# Altium PCB A185_pinboard_V1.0.PcbDoc
Units mm, origin at the board's own origin, x right, y up, seen from the top; angles counter-clockwise.
Board outline 56 x 53 mm, 2 copper layers (Top Layer, Bottom Layer); 15 components, 18 nets, 42 pads, 12 vias.
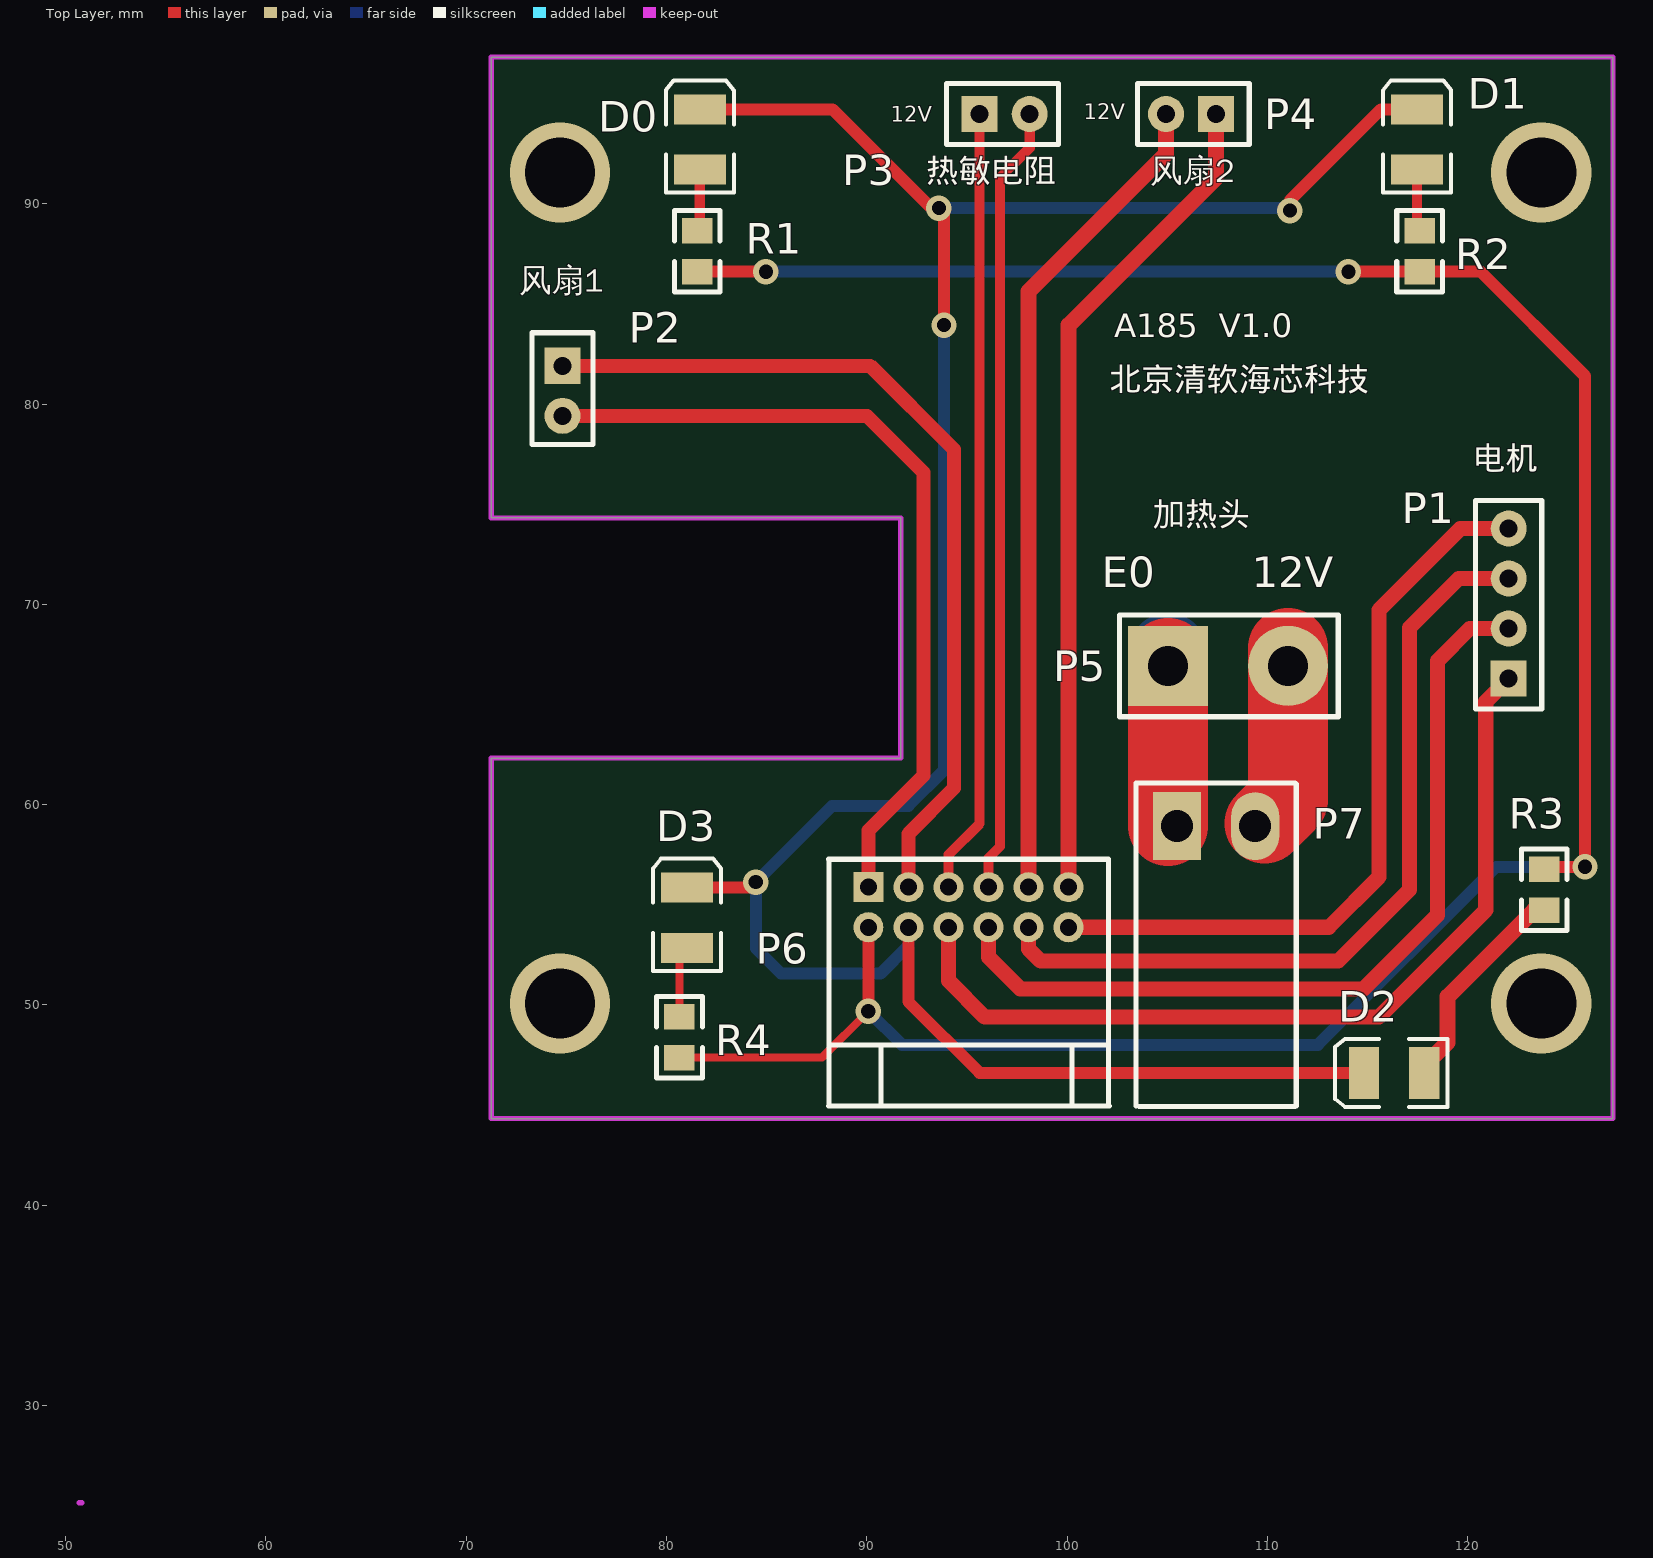
[diagram p0: Top Layer view]
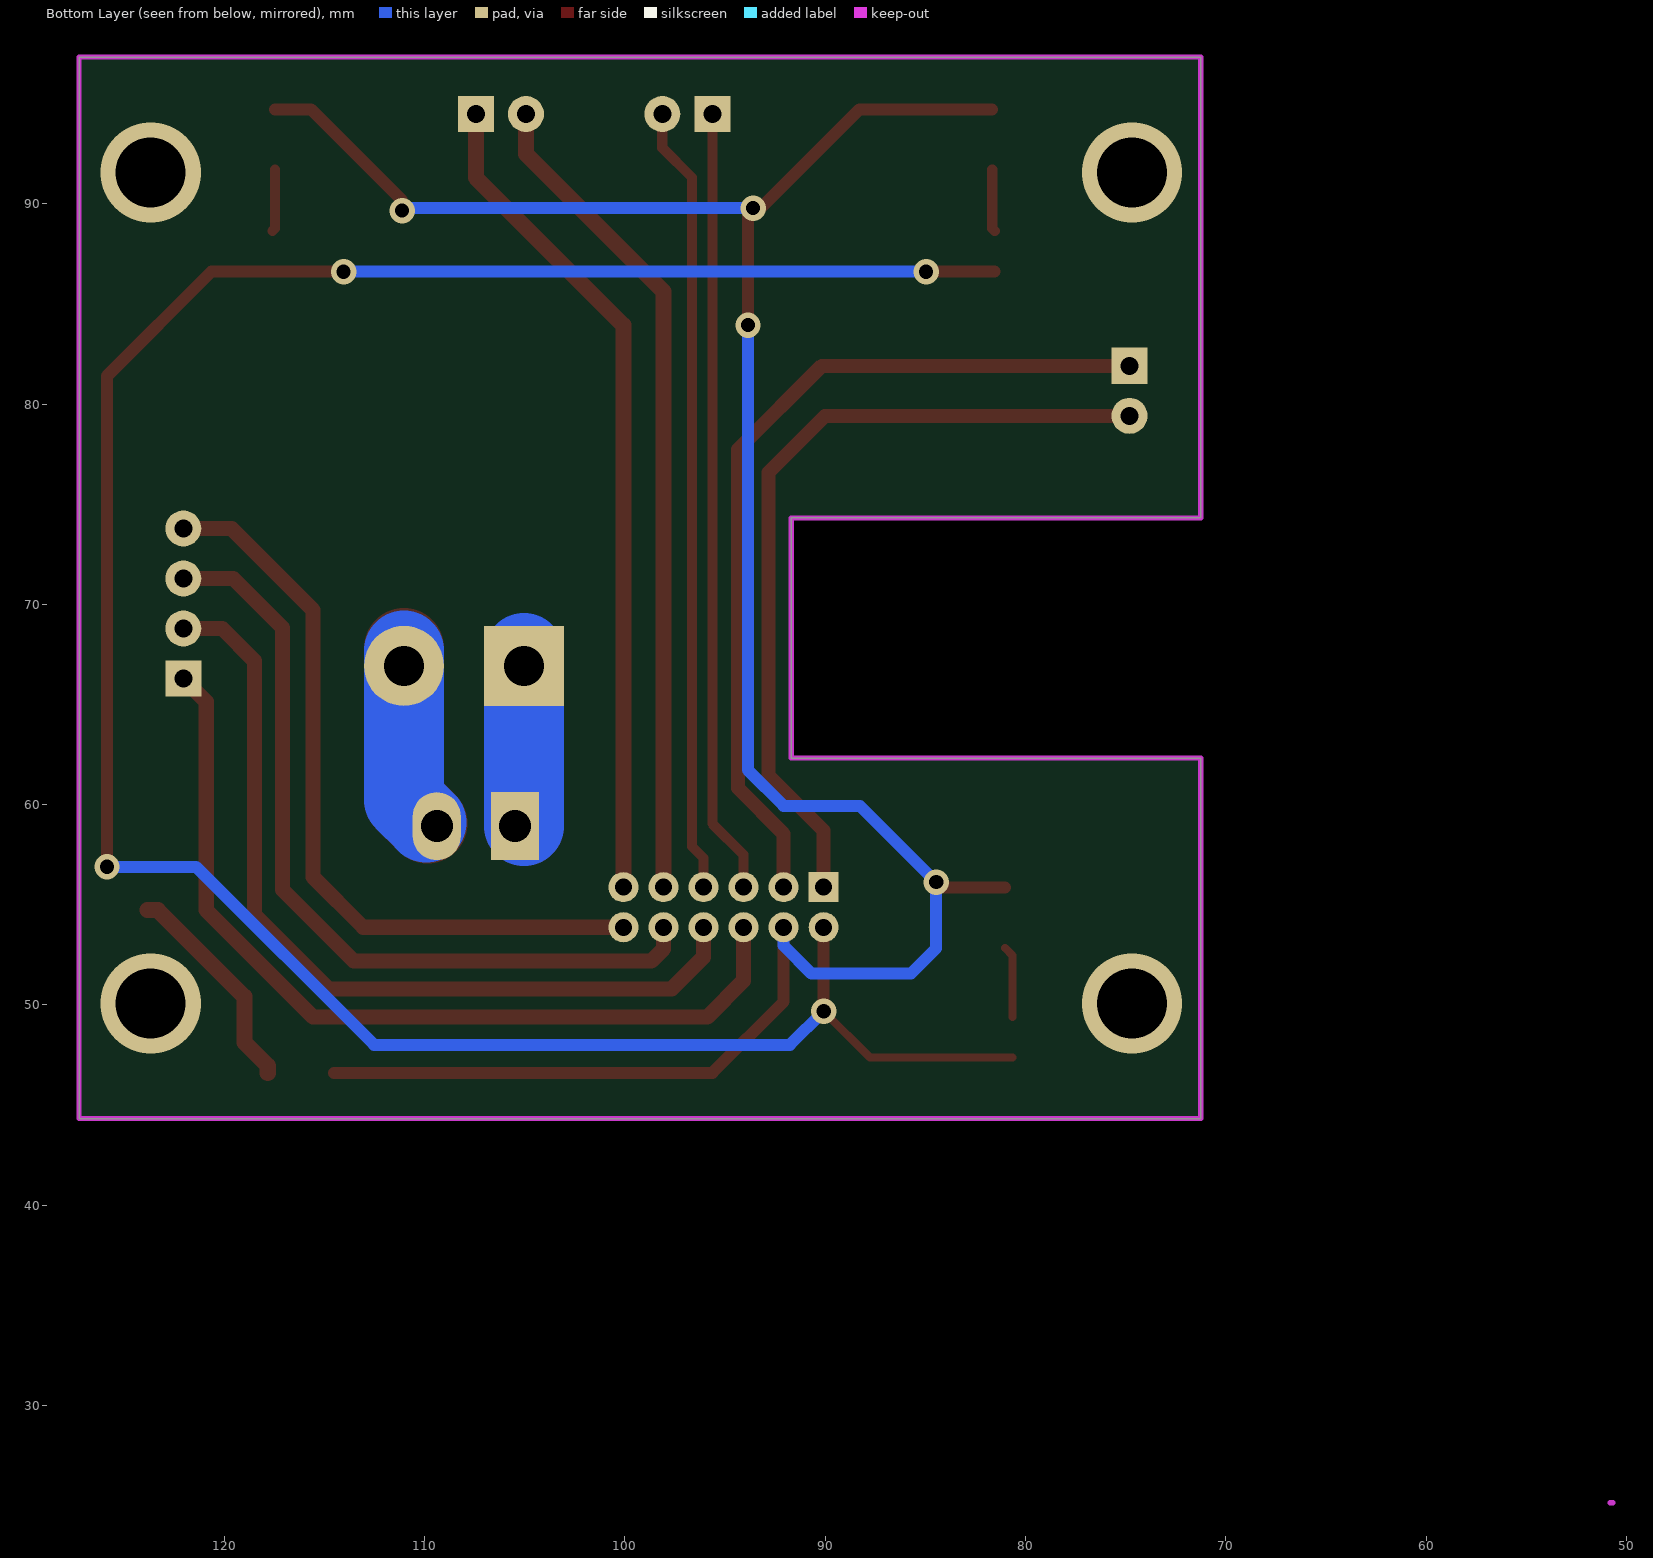
[diagram p1: Bottom Layer view, seen from below]

## Layer stack, top to bottom
Top Solder: solder mask 0.0102, Solder Resist, Dk 3.5
Top Layer: signal copper 0.0356
Dielectric1: dielectric 0.32, FR-4, Dk 4.8
Bottom Layer: signal copper 0.0356
Bottom Solder: solder mask 0.0102, Solder Resist, Dk 3.5

## Board outline
71.247,74.323 71.247,97.323 127.247,97.323 127.247,44.323 71.247,44.323 71.247,62.323 91.694,62.323 91.694,74.323

## Design rules (kind name [scope] priority, off if disabled: settings)
Clearance [All] p1: gap=0.254
PolygonConnect [All] p1: connectstyle=Relief reliefconductorwidth=0.254 reliefentries=4 polygonreliefangle="90 Angle" airgapwidth=0.254
RoutingVias [All] p1: holewidth=0.711 width=1.27 viastyle="Through Hole" minholewidth=0.711 minwidth=1.27 maxholewidth=0.711 maxwidth=1.27
SolderMaskExpansion [All] p1: expansion=0.102
Width [All] p1: maxlimit=12.7 minlimit=0.254 preferedwidth=0.254 minimp=50.000000 maximp=50.000000 favimp=50.000000
30 further rules are at their usual default settings.

## Components (designator, comment, footprint, x,y, rotation, side; value= is the part's Value field where it differs from the comment)
D0 "LED0" 3.5X2.8X1.9 81.661,93.218 r90 top
D1 "LED1" 3.5X2.8X1.9 117.475,93.218 r90 top
D2 "LED2" 3.5X2.8X1.9 116.332,46.609 r180 top
D3 "LED4" 3.5X2.8X1.9 81.026,54.356 r90 top
P1 "Header 1" 4PIN_2.5MM 122.047,66.294 r90 top
P2 "Header 2" 2PIN_2.5MM 74.803,81.915 r270 top
P3 "Header 3" 2PIN_2.5MM 95.631,94.488 r0 top
P4 "Header 4" 2PIN_2.5MM 107.442,94.488 r180 top
P5 "Header 5" 2PIN_6 105.029,66.929 r0 top
P6 "Header 6X2" 6X2_2MM 100.076,55.88 r0 top
P7 "Header 2" 1X2_3.9MM 107.442,58.928 r0 top
R1 "Res1" R2012-0805 81.534,87.63 r270 top
R2 "Res1" R2012-0805 117.602,87.63 r270 top
R3 "Res1" R2012-0805 123.825,55.753 r90 top
R4 "Res1" R2012-0805 80.645,48.387 r270 top

## Footprints (in the part's own frame and the unit in brackets; to place one, negate y for a bottom-side part, rotate by r counter-clockwise, add the part's x,y. Pads: shape width x height; smd on the part's side, far side on the other; paste and mask are expansions set on the pad)
1X2_3.9MM [mm] "电源端子"
  rect 2.4x3.4 hole 1.6: 1(-1.95,0)
  oval 2.4x3.4 hole 1.6: 2(1.95,0)
  silkscreen extent -4,-14 4,2.16
2PIN_2.5MM [mm]
  rect 1.8x1.8 hole 0.9: 1(0,0)
  round 1.8 hole 0.9: 2(2.5,0)
  silkscreen extent -1.65,-1.52 3.94,1.52
2PIN_6 [mm]
  rect 4x4 hole 2: 1(0,0)
  round 4 hole 2: 2(6,0)
  silkscreen extent -2.41,-2.54 8.51,2.54
3.5X2.8X1.9 [mm] "SM LED; 2 C-Bend Leads; Body 3.5 x 2.8 x 1.9 mm, inc leads (LxWxH typ)"
  rect 1.5x2.6 smd: 1(-1.5,0) 2(1.5,0)
  silkscreen extent -2.65,-1.7 2.95,1.7
4PIN_2.5MM [mm]
  rect 1.8x1.8 hole 0.9: 1(0,0)
  round 1.8 hole 0.9: 2(2.5,0) 3(5,0) 4(7.5,0)
  silkscreen extent -1.52,-1.65 8.89,1.65
6X2_2MM [mm] "信号线端子"
  rect 1.5x1.5 hole 0.85: 1(-10,0)
  round 1.5 hole 0.85: 2(-10,-2) 3(-8,0) 4(-8,-2) 5(-6,0) 6(-6,-2) 7(-4,0) 8(-4,-2) 9(-2,0) 10(-2,-2) 11(0,0) 12(0,-2)
  silkscreen extent -12,-10.92 2.03,1.4
R2012-0805 [mil] "Chip Resistor; Body 2.0 x 1.2 mm (LxW typ)"
  rect 50x60 smd: 1(-40,0) 2(40,0)
  silkscreen extent -80,-45 80,45

## Part data
D0: "Typical INFRARED GaAs LED"
D1 D2 D3: library part LED0, "Typical INFRARED GaAs LED"
P1: library part "Header 4", "Header, 4-Pin"
P2 P7: "Header, 2-Pin"
P3 P4 P5: library part "Header 2", "Header, 2-Pin"
P6: "Header, 6-Pin, Dual row"
R1 R2 R3 R4: "Resistor"

## Via types
v1: diameter 1.27, hole 0.711, Top Layer to Bottom Layer, 8 vias
v2: diameter 5, hole 3.5, Top Layer to Bottom Layer, 4 vias

## Nets (pads, with @x,y where several pads share a name; then routed paths per layer and width w, separated by ;. In a path a pad name is that pad's centre, name@x,y a point inside that pad or via, vN(x,y) a via of type N, cw(c..) or ccw(c..) an arc to the next point about the centre after c; other vN are vias at no path point)
12V: P5.1 P7.1 | length 17
  Top Layer w4: P7.1@105.029,58.928 P5.1 P5.1@105.029,67.31
  Bottom Layer w4: P7.1@105.029,58.928 P5.1@105.029,67.564
E0: P5.2 P7.2 | length 18.3
  Top Layer w4: P7.2@109.855,59.055 111.029,60.229 P5.2@111.029,67.818
  Bottom Layer w4: P7.2@109.918,59.118 111.029,60.229 P5.2 P5.2@111.029,67.691
NetD0_1: D0.1 R1.1 | length 3.1
  Top Layer w0.508: R1.1 81.661,88.773 D0.1
NetD0_2: D0.2 D1.2 D2.2 D3.2 P6.4 | length 124.3
  Top Layer w0.6: D3.2 84.177,55.856 v1(84.455,56.134) ; D0.2 88.289,94.718 93.218,89.789 v1(93.599,89.789) 93.853,89.535 v1(93.853,83.947) ; P6.4 92.076,50.164 95.631,46.609 D2.2@114.53,46.609 ; v1(111.125,89.662) 111.125,90.17 115.673,94.718 D1.2
  Bottom Layer w0.6: P6.4 92.076,52.96 90.679,51.563 85.724,51.563 84.455,52.832 v1(84.455,56.134) 88.265,59.944 92.075,59.944 93.853,61.722 v1(93.853,83.947) ; v1(93.599,89.789) 110.998,89.789 v1(111.125,89.662)
NetD1_1: D1.1 R2.1 | length 3.1
  Top Layer w0.508: D1.1 117.475,88.773 R2.1
NetD2_1: D2.1 R3.1 | length 10.9
  Top Layer w0.8: D2.1 117.832,46.966 118.999,48.133 118.999,50.419 123.317,54.737 R3.1
NetD3_1: D3.1 R4.1 | length 3.6
  Top Layer w0.4: R4.1 80.645,52.475 D3.1
NetP1_1: P1.1 P6.6 | length 44.5
  Top Layer w0.762: P6.6 94.076,51.212 95.885,49.403 115.57,49.403 120.904,54.737 120.904,65.151 P1.1
NetP1_2: P1.2 P6.8 | length 43
  Top Layer w0.762: P6.8 96.076,52.387 97.663,50.8 114.808,50.8 118.491,54.483 118.491,67.183 120.102,68.794 P1.2
NetP1_3: P1.3 P6.10 | length 40.9
  Top Layer w0.762: P6.10 98.076,52.8 98.679,52.197 113.538,52.197 117.094,55.753 117.094,68.834 119.554,71.294 P1.3
NetP1_4: P1.4 P6.12 | length 38.4
  Top Layer w0.762: P6.12 113.062,53.88 115.57,56.388 115.57,69.723 119.634,73.787 P1.4@122.428,73.787
NetP2_1: P2.1 P6.3 | length 44.1
  Top Layer w0.7: P2.1 90.17,81.915 94.361,77.724 94.361,60.833 92.076,58.548 P6.3
NetP2_2: P2.2 P6.1 | length 41.1
  Top Layer w0.7: P2.2 90.003,79.415 92.837,76.581 92.837,61.468 90.076,58.707 P6.1
NetP3_1: P3.1 P6.5 | length 39.3
  Top Layer w0.508: P6.5 94.076,57.5 95.631,59.055 P3.1
NetP3_2: P3.2 P6.7 | length 39.5
  Top Layer w0.508: P6.7 96.076,57.341 96.647,57.912 96.647,91.313 98.131,92.797 P3.2
NetP4_1: P4.1 P6.11 | length 41.7
  Top Layer w0.8: P6.11 100.076,83.947 107.442,91.313 P4.1
NetP4_2: P4.2 P6.9 | length 41.5
  Top Layer w0.8: P6.9 98.076,85.63 104.942,92.496 P4.2
NetP6_2: P6.2 R1.2 R2.2 R3.2 R4.2 | length 127.6
  Top Layer w0.4: R4.2 87.757,47.371 v1(90.076,49.69)
  Top Layer w0.6: R1.2 v1(84.963,86.614) ; v1(90.076,49.69) P6.2 ; v1(114.046,86.614) R2.2 120.65,86.614 125.857,81.407 v1(125.857,56.896) R3.2@123.952,56.896
  Bottom Layer w0.6: v1(84.963,86.614) v1(114.046,86.614) ; v1(90.076,49.69) 91.76,48.006 112.522,48.006 121.412,56.896 v1(125.857,56.896)
copper on no net:
  other v2: 74.676,50.067 123.676,50.067 74.676,91.567 123.676,91.567

## Keep-outs
Keep-Out Layer:
  lines w0.254: 50.673,25.146 50.8,25.146 ; 71.247,44.323 71.247,62.323 91.694,62.323 91.694,74.323 71.247,74.323 71.247,97.323 127.247,97.323 127.247,44.323 71.247,44.323

## Silkscreen, mask and mechanical layers (free items; w line width, h text height)
Top Overlay:
  text "12V" at 100.838,94.234 h0.76
  text "12V" at 91.186,94.107 h0.76
  text "热敏电阻" at 92.964,90.678 h2.03
  text "风扇2" at 104.14,90.678 h2.03
  text "风扇1" at 72.644,85.217 h2.03
  text "A185  V1.0" at 102.362,82.931 h2.03
  text "北京清软海芯科技" at 102.108,80.264 h2.03
  text "电机" at 120.269,76.327 h2.03
  text "加热头" at 104.267,73.533 h2.03
  text "E0" at 101.727,70.866 h1.52
  text "12V" at 109.22,70.866 h1.52